# Altium PCB BW2098POE.PcbDoc (part 3 of 4) (continued)
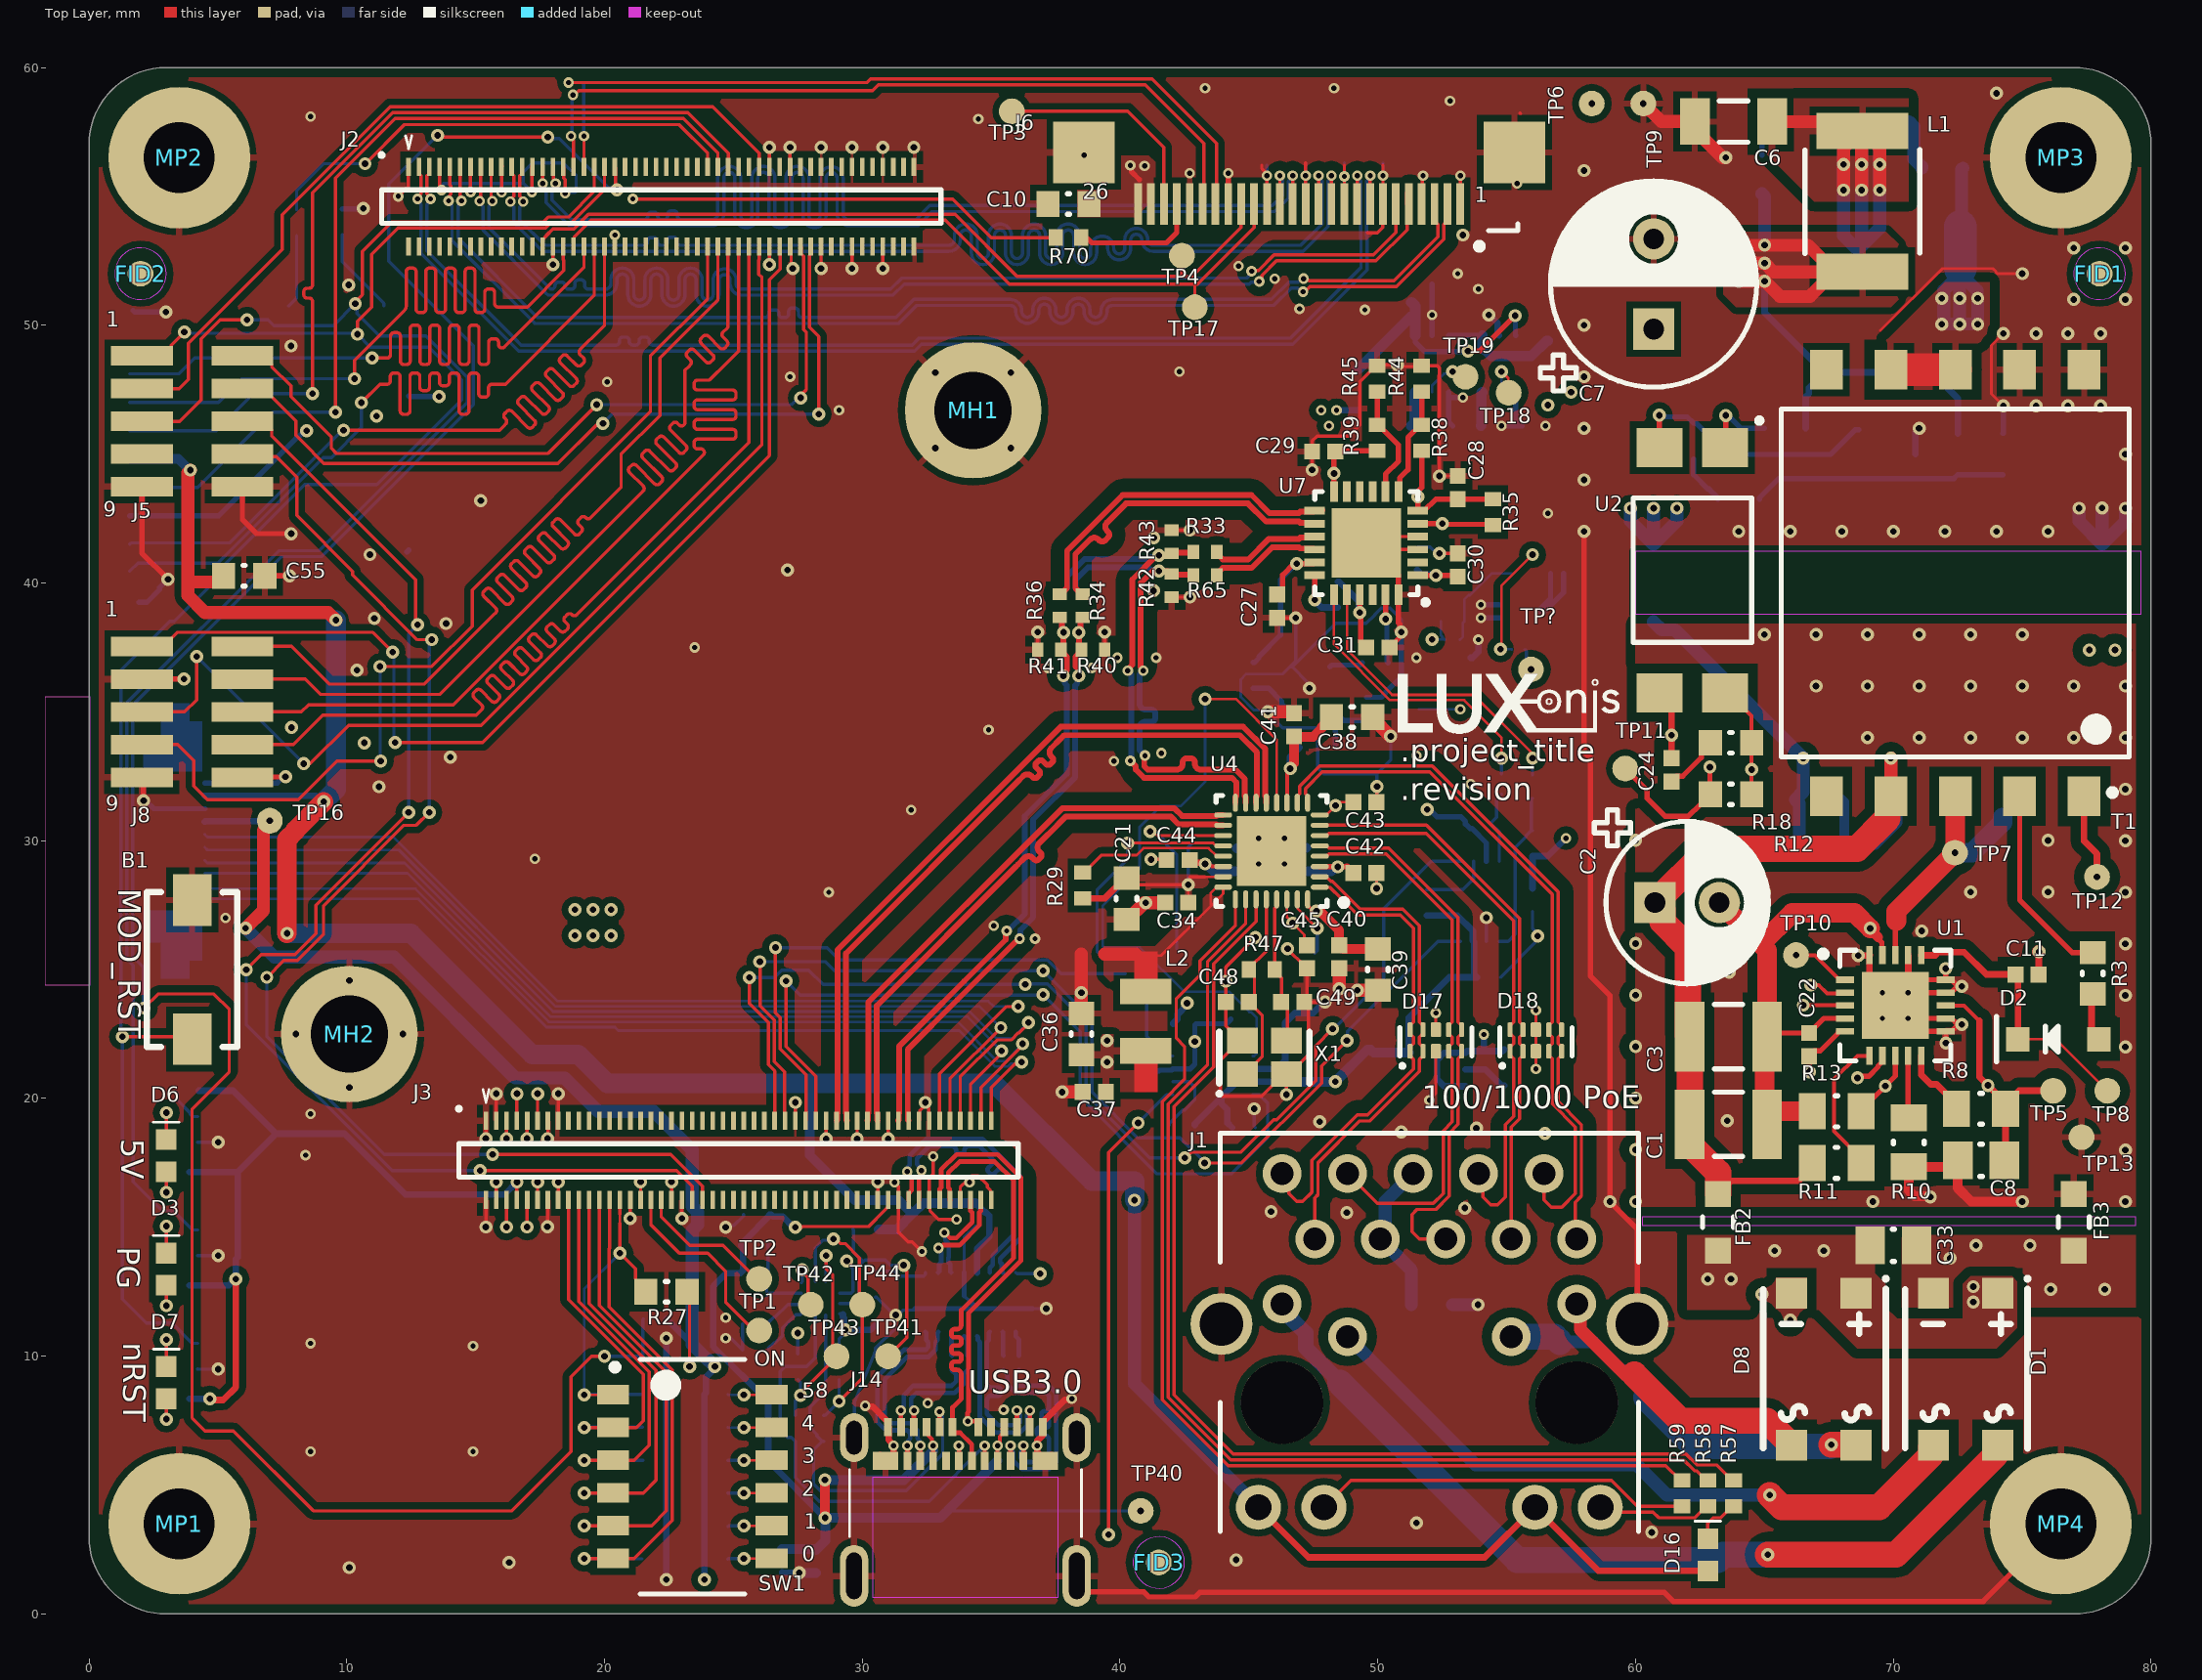
[diagram p0: Top Layer view]
## Nets (pads, with @x,y where several pads share a name; then routed paths per layer and width w, separated by ;. In a path a pad name is that pad's centre, name@x,y a point inside that pad or via, vN(x,y) a via of type N, cw(c..) or ccw(c..) an arc to the next point about the centre after c; other vN are vias at no path point) (continued)
MD2_N: D17.5 D17.6 J1.6 U4.5 | length 21.6
  Top Layer w0.13: U4.5@47.75,29.8 48.019,29.8 48.103,29.716 50.424,29.716 53.116,27.024 53.116,22.961 53.192,22.885 53.215,22.885 53.25,22.85 D17.6@53.25,22.668 53.25,22.485 53.215,22.45 53.192,22.45 53.116,22.374 53.116,22.126 53.192,22.05 53.215,22.05 53.25,22.015 D17.5@53.25,21.833 53.25,21.65 53.215,21.615 53.192,21.615 53.116,21.539 53.116,18.999 52.767,18.65 52.767,16.214 52.249,15.696 51.515,15.696 51.321,15.502 51.321,14.834 51.605,14.55 J1.6@52.635,14.55
MD2_P: D17.4 D17.7 J1.3 U4.4 | length 21.6
  Top Layer w0.13: U4.4@47.75,29.4 48.019,29.4 48.103,29.484 50.328,29.484 52.884,26.928 52.884,22.961 52.808,22.885 52.785,22.885 52.75,22.85 D17.7@52.75,22.668 52.75,22.485 52.785,22.45 52.808,22.45 52.884,22.374 52.884,22.126 52.808,22.05 52.785,22.05 52.75,22.015 D17.4@52.75,21.833 52.75,21.65 52.785,21.615 52.808,21.615 52.884,21.539 52.884,19.094 52.535,18.746 52.535,16.31 52.153,15.928 49.987,15.928 J1.3@48.825,17.09
MD3_N: D18.2 D18.9 J1.8 U4.7 | length 22.1
  Top Layer w0.13: U4.7@47.75,30.6 51.886,30.6 55.498,26.988 55.498,22.961 55.574,22.885 55.597,22.885 55.633,22.85 D18.9@55.633,22.668 55.633,22.485 55.597,22.45 55.574,22.45 55.498,22.374 55.498,22.126 55.574,22.05 55.597,22.05 55.633,22.015 D18.2@55.633,21.833 55.633,21.65 55.597,21.615 55.574,21.615 55.498,21.539 55.498,19.211 55.175,18.888 J1.8@55.175,14.55
MD3_P: D18.1 D18.10 J1.7 U4.6 | length 22.2
  Top Layer w0.13: U4.6@47.75,30.2 48.019,30.2 48.103,30.284 51.874,30.284 55.267,26.892 55.267,22.961 55.191,22.885 55.168,22.885 55.133,22.85 D18.10@55.133,22.668 55.133,22.485 55.168,22.45 55.191,22.45 55.267,22.374 55.267,22.126 55.191,22.05 55.168,22.05 55.133,22.015 D18.1@55.133,21.833 55.133,21.65 55.168,21.615 55.191,21.615 55.267,21.539 55.267,19.307 54.944,18.984 54.944,16.184 54.644,15.884 54.373,15.884 54.074,16.183 54.074,16.921 J1.7@53.905,17.09
MD4_N: D18.5 D18.6 J1.10 U4.10 | length 27.3
  Top Layer w0.13: U4.10@46.875,31.475 46.875,31.744 46.959,31.828 46.959,32.115 47.749,32.905 52.114,32.905 56.998,28.02 56.998,22.961 57.074,22.885 57.097,22.885 57.133,22.85 D18.6@57.133,22.668 57.133,22.485 57.097,22.45 57.074,22.45 56.998,22.374 56.998,22.126 57.074,22.05 57.097,22.05 57.133,22.015 D18.5@57.133,21.833 57.133,21.65 57.097,21.615 57.074,21.615 56.998,21.539 56.998,19.891 57.895,18.994 57.895,16.209 57.665,15.978 57.665,14.601 J1.10@57.715,14.55
MD4_P: D18.4 D18.7 J1.9 U4.9 | length 27.2
  Top Layer w0.13: U4.9@47.275,31.475 47.275,31.744 47.191,31.828 47.191,32.02 47.845,32.674 52.018,32.674 56.767,27.924 56.767,22.961 56.691,22.885 56.668,22.885 56.633,22.85 D18.7@56.633,22.668 56.633,22.485 56.668,22.45 56.691,22.45 56.767,22.374 56.767,22.126 56.691,22.05 56.668,22.05 56.633,22.015 D18.4@56.633,21.833 56.633,21.65 56.668,21.615 56.691,21.615 56.767,21.539 56.767,19.795 57.664,18.898 57.664,16.304 57.138,15.779 56.731,15.779 56.445,16.065 J1.9@56.445,17.09
MIPI_C_N: J2.3 J6.8 | length 47.9
  Top Layer w0.13: v2(12.752,54.9) 12.752,54.975 12.884,55.107 12.884,55.796 12.8,55.88 J2.3@12.8,56.14 ; J6.8@49.7,54.7 49.702,54.702 49.702,55.797 v2(49.705,55.8)
  Bottom Layer w0.13: v2(12.752,54.9) 12.752,54.825 12.884,54.693 12.884,52.789 16.336,49.336 16.673,49 32.027,49 32.296,49.269 46.696,49.269 49.578,52.15 49.578,53.481 49.568,53.49 49.568,55.588 49.705,55.725 v2(49.705,55.8)
MIPI_C_P: J2.5 J6.9 | length 47.9
  Top Layer w0.13: J2.5@13.2,56.14 13.2,55.88 13.116,55.796 13.116,55.107 13.248,54.975 v2(13.248,54.9) ; J6.9@49.2,54.7 v2(49.2,55.8)
  Bottom Layer w0.13: v2(13.248,54.9) 13.248,54.825 13.116,54.693 13.116,52.884 16.5,49.5 16.769,49.231 19.12,49.231 20.445,49.231 ccw(c20.445,49.366) 20.579,49.366 20.579,49.403 cw(c20.713,49.403) 20.713,49.537 20.828,49.537 cw(c20.828,49.403) 20.963,49.403 20.963,49.366 ccw(c21.097,49.366) 21.097,49.231 21.212,49.231 ccw(c21.212,49.366) 21.346,49.366 21.346,49.403 cw(c21.481,49.403) 21.481,49.537 21.596,49.537 cw(c21.596,49.403) 21.73,49.403 21.73,49.366 ccw(c21.864,49.366) 21.864,49.231 22.313,49.231 31.931,49.231 32.2,49.5 46.6,49.5 49.346,52.246 49.346,53.361 49.336,53.371 49.336,55.589 49.2,55.725 v2(49.2,55.8)
MIPI_D0_N: J2.9 J6.2 | length 48.9
  Top Layer w0.13: v2(13.952,54.828) 14,54.875 14,55.048 14.044,55.091 14.044,55.398 14,55.441 J2.9@14,56.14 ; v2(47.1,51.3) 47.167,51.3 47.367,51.5 50.727,51.5 52.566,53.339 52.566,53.916 52.7,54.05 J6.2@52.7,54.7 ; J6.2@52.616,54.7 52.616,55.141 J6.2@52.75,55.275
  Bottom Layer w0.13: v2(13.952,54.828) 13.952,54.753 14.084,54.621 14.084,53.289 17.236,50.136 17.304,50.069 31.396,50.069 32.096,50.769 34.9,50.769 35.741,50.769 cw(c35.741,50.554) 35.956,50.554 35.956,50.525 ccw(c36.402,50.525) 36.402,50.079 ccw(c36.402,50.525) 36.849,50.525 36.849,50.601 cw(c37.063,50.601) 37.063,50.816 cw(c37.063,50.601) 37.278,50.601 37.278,50.525 ccw(c37.724,50.525) 37.724,50.079 ccw(c37.724,50.525) 38.17,50.525 38.17,50.601 cw(c38.385,50.601) 38.385,50.816 cw(c38.385,50.601) 38.6,50.601 38.6,50.525 ccw(c39.046,50.525) 39.046,50.079 ccw(c39.046,50.525) 39.492,50.525 39.492,50.554 cw(c39.707,50.554) 39.707,50.769 40.525,50.769 45.969,50.769 46.641,51.441 46.886,51.441 47.027,51.3 v2(47.1,51.3)
MIPI_D0_P: J2.11 J6.3 | length 48.3
  Top Layer w0.13: J2.11@14.4,56.14 14.4,54.875 v2(14.448,54.828) ; v2(47.114,51.809) 47.167,51.756 47.303,51.756 47.328,51.731 50.631,51.731 52.334,53.434 52.334,53.916 52.2,54.05 J6.3@52.2,54.7
  Bottom Layer w0.13: v2(14.448,54.828) 14.448,54.753 14.316,54.621 14.316,53.384 17.4,50.3 25.822,50.3 26.24,50.3 ccw(c26.24,50.434) 26.374,50.434 26.374,50.462 cw(c26.508,50.462) 26.508,50.597 26.623,50.597 cw(c26.623,50.462) 26.758,50.462 26.758,50.434 ccw(c26.892,50.434) 26.892,50.3 27.007,50.3 ccw(c27.007,50.434) 27.141,50.434 27.141,50.529 cw(c27.276,50.529) 27.276,50.663 27.391,50.663 cw(c27.391,50.529) 27.525,50.529 27.525,50.434 ccw(c27.659,50.434) 27.659,50.3 28.108,50.3 31.3,50.3 32,51 34.9,51 35.741,51 cw(c35.741,50.554) 36.188,50.554 36.188,50.525 ccw(c36.402,50.525) 36.402,50.31 ccw(c36.402,50.525) 36.617,50.525 36.617,50.601 cw(c37.063,50.601) 37.063,51.047 cw(c37.063,50.601) 37.509,50.601 37.509,50.525 ccw(c37.724,50.525) 37.724,50.31 ccw(c37.724,50.525) 37.939,50.525 37.939,50.601 cw(c38.385,50.601) 38.385,51.047 cw(c38.385,50.601) 38.831,50.601 38.831,50.525 ccw(c39.046,50.525) 39.046,50.31 ccw(c39.046,50.525) 39.261,50.525 39.261,50.554 cw(c39.707,50.554) 39.707,51 40.525,51 45.873,51 46.546,51.673 46.902,51.673 47.039,51.809 v2(47.114,51.809)
MIPI_D1_N: J2.15 J6.5 | length 49
  Top Layer w0.13: v2(15.152,54.818) 15.2,54.866 J2.15@15.2,56.14 ; v2(45.4,51.7) 45.4,51.775 45.501,51.876 45.501,51.932 46.067,52.498 49.925,52.498 51.133,53.705 51.133,54.633 J6.5@51.2,54.7 ; J6.5@51.116,54.7 51.116,55.141 J6.5@51.25,55.275
  Bottom Layer w0.13: v2(15.152,54.818) 15.152,54.744 15.284,54.612 15.284,53.689 17.736,51.236 17.804,51.169 19.85,51.169 20.03,51.169 ccw(c20.03,51.615) 20.476,51.615 20.476,51.769 cw(c20.691,51.769) 20.691,51.984 cw(c20.691,51.769) 20.906,51.769 20.906,51.189 ccw(c21.352,51.189) 21.352,50.743 ccw(c21.352,51.189) 21.798,51.189 21.798,51.769 cw(c22.013,51.769) 22.013,51.984 cw(c22.013,51.769) 22.228,51.769 22.228,51.189 ccw(c22.674,51.189) 22.674,50.743 ccw(c22.674,51.189) 23.12,51.189 23.12,51.769 cw(c23.335,51.769) 23.335,51.984 cw(c23.335,51.769) 23.55,51.769 23.55,51.189 ccw(c23.996,51.189) 23.996,50.743 ccw(c23.996,51.189) 24.442,51.189 24.442,51.746 cw(c24.657,51.746) 24.657,51.961 cw(c24.657,51.746) 24.872,51.746 24.872,51.615 ccw(c25.318,51.615) 25.318,51.169 25.987,51.169 31.196,51.169 31.627,51.6 38.259,51.6 45.01,51.6 45.087,51.677 45.377,51.677 v2(45.4,51.7)
MIPI_D1_P: J2.17 J6.6 | length 48.2
  Top Layer w0.13: J2.17@15.6,56.14 15.6,54.866 v2(15.648,54.818) ; v2(45.103,52.097) 45.137,52.131 45.373,52.131 45.972,52.729 49.829,52.729 50.7,53.6 J6.6@50.7,54.7
  Bottom Layer w0.13: v2(15.648,54.818) 15.648,54.744 15.516,54.612 15.516,53.784 17.524,51.776 17.9,51.4 17.946,51.4 ccw(c17.946,51.534) 18.081,51.534 cw(c18.215,51.534) 18.215,51.669 18.33,51.669 cw(c18.33,51.534) 18.464,51.534 ccw(c18.599,51.534) 18.599,51.4 18.714,51.4 ccw(c18.714,51.534) 18.848,51.534 18.848,51.624 cw(c18.982,51.624) 18.982,51.759 19.097,51.759 cw(c19.097,51.624) 19.232,51.624 19.232,51.534 ccw(c19.366,51.534) 19.366,51.4 19.815,51.4 19.85,51.4 20.03,51.4 ccw(c20.03,51.615) 20.245,51.615 20.245,51.769 cw(c20.691,51.769) 20.691,52.216 cw(c20.691,51.769) 21.137,51.769 21.137,51.189 ccw(c21.352,51.189) 21.352,50.974 ccw(c21.352,51.189) 21.567,51.189 21.567,51.769 cw(c22.013,51.769) 22.013,52.216 cw(c22.013,51.769) 22.459,51.769 22.459,51.189 ccw(c22.674,51.189) 22.674,50.974 ccw(c22.674,51.189) 22.889,51.189 22.889,51.769 cw(c23.335,51.769) 23.335,52.216 cw(c23.335,51.769) 23.781,51.769 23.781,51.189 ccw(c23.996,51.189) 23.996,50.974 ccw(c23.996,51.189) 24.211,51.189 24.211,51.746 cw(c24.657,51.746) 24.657,52.192 cw(c24.657,51.746) 25.103,51.746 25.103,51.615 ccw(c25.318,51.615) 25.318,51.4 25.987,51.4 31.1,51.4 31.531,51.831 38.355,51.831 44.914,51.831 44.99,51.907 ; 44.99,51.908 45.103,52.022 v2(45.103,52.097)
MIPI_D2_N: J2.21 J6.11 | length 47.9
  Top Layer w0.13: v2(16.352,54.8) 16.352,54.875 16.484,55.007 16.484,55.796 16.4,55.88 J2.21@16.4,56.14 ; v2(48.195,55.8) 48.198,55.798 48.198,54.702 J6.11@48.2,54.7
  Bottom Layer w0.13: v2(16.352,54.8) 16.352,54.725 16.484,54.593 16.484,53.989 17.604,52.869 33.178,52.869 33.358,52.869 ccw(c33.358,53.315) 33.805,53.315 33.805,53.482 cw(c34.019,53.482) 34.019,53.697 cw(c34.019,53.482) 34.234,53.482 34.234,52.803 ccw(c34.68,52.803) 34.68,52.356 ccw(c34.68,52.803) 35.126,52.803 35.126,53.482 cw(c35.341,53.482) 35.341,53.697 cw(c35.341,53.482) 35.556,53.482 35.556,52.803 ccw(c36.002,52.803) 36.002,52.356 ccw(c36.002,52.803) 36.448,52.803 36.448,53.482 cw(c36.663,53.482) 36.663,53.697 cw(c36.663,53.482) 36.878,53.482 36.878,52.803 ccw(c37.324,52.803) 37.324,52.356 ccw(c37.324,52.803) 37.77,52.803 37.77,53.482 cw(c37.985,53.482) 37.985,53.697 cw(c37.985,53.482) 38.2,53.482 38.2,52.803 ccw(c38.646,52.803) 38.646,52.356 ccw(c38.646,52.803) 39.092,52.803 39.092,53.013 cw(c39.307,53.013) 39.307,53.228 cw(c39.307,53.013) 39.522,53.013 39.522,52.984 ccw(c39.968,52.984) 39.968,52.538 ccw(c39.968,52.984) 40.414,52.984 40.414,53.315 cw(c40.629,53.315) 40.629,53.53 cw(c40.629,53.315) 40.844,53.315 ccw(c41.29,53.315) 41.29,52.869 44.142,52.869 47.099,52.869 48.068,53.837 48.068,54.837 48.068,55.597 48.195,55.725 v2(48.195,55.8)
MIPI_D2_P: J2.23 J6.12 | length 47.9
  Top Layer w0.13: J2.23@16.8,56.14 16.8,55.88 16.716,55.796 16.716,55.007 16.848,54.875 v2(16.848,54.8) ; J6.12@47.7,54.7 v2(47.7,55.8)
  Bottom Layer w0.13: v2(16.848,54.8) 16.848,54.725 16.716,54.593 16.716,54.084 17.7,53.1 20.512,53.1 21.533,53.1 ccw(c21.533,53.234) 21.667,53.234 21.667,53.262 cw(c21.801,53.262) 21.801,53.396 21.916,53.396 cw(c21.916,53.262) 22.051,53.262 22.051,53.234 ccw(c22.185,53.234) 22.185,53.1 22.3,53.1 ccw(c22.3,53.234) 22.434,53.234 22.434,53.283 cw(c22.569,53.283) 22.569,53.417 22.684,53.417 cw(c22.684,53.283) 22.818,53.283 22.818,53.234 ccw(c22.952,53.234) 22.952,53.1 23.401,53.1 33.178,53.1 33.358,53.1 ccw(c33.358,53.315) 33.573,53.315 33.573,53.482 cw(c34.019,53.482) 34.019,53.928 cw(c34.019,53.482) 34.466,53.482 34.466,52.803 ccw(c34.68,52.803) 34.68,52.588 ccw(c34.68,52.803) 34.895,52.803 34.895,53.482 cw(c35.341,53.482) 35.341,53.928 cw(c35.341,53.482) 35.787,53.482 35.787,52.803 ccw(c36.002,52.803) 36.002,52.588 ccw(c36.002,52.803) 36.217,52.803 36.217,53.482 cw(c36.663,53.482) 36.663,53.928 cw(c36.663,53.482) 37.109,53.482 37.109,52.803 ccw(c37.324,52.803) 37.324,52.588 ccw(c37.324,52.803) 37.539,52.803 37.539,53.482 cw(c37.985,53.482) 37.985,53.928 cw(c37.985,53.482) 38.431,53.482 38.431,52.803 ccw(c38.646,52.803) 38.646,52.588 ccw(c38.646,52.803) 38.861,52.803 38.861,53.013 cw(c39.307,53.013) 39.307,53.459 cw(c39.307,53.013) 39.753,53.013 39.753,52.984 ccw(c39.968,52.984) 39.968,52.769 ccw(c39.968,52.984) 40.183,52.984 40.183,53.315 cw(c40.629,53.315) 40.629,53.761 cw(c40.629,53.315) 41.075,53.315 ccw(c41.29,53.315) 41.29,53.1 44.142,53.1 47.004,53.1 47.836,53.933 47.836,54.741 47.836,55.589 47.7,55.725 v2(47.7,55.8)
MIPI_D3_N: J2.27 J6.14 | length 47.8
  Top Layer w0.13: J2.27@17.6,56.14 17.602,56.138 17.602,55.502 v2(17.605,55.5) ; v2(46.695,55.8) 46.698,55.798 46.698,54.702 J6.14@46.7,54.7
  Bottom Layer w0.13: v2(17.605,55.5) 17.605,55.425 17.737,55.293 17.737,54.753 18.621,53.869 24,53.869 24.18,53.869 ccw(c24.18,54.315) 24.627,54.315 24.627,55.717 cw(c24.841,55.717) 24.841,55.932 cw(c24.841,55.717) 25.056,55.717 25.056,54.234 ccw(c25.502,54.234) 25.502,53.788 ccw(c25.502,54.234) 25.949,54.234 25.949,55.717 cw(c26.163,55.717) 26.163,55.932 cw(c26.163,55.717) 26.378,55.717 26.378,54.234 ccw(c26.824,54.234) 26.824,53.788 ccw(c26.824,54.234) 27.27,54.234 27.27,55.717 cw(c27.485,55.717) 27.485,55.932 cw(c27.485,55.717) 27.7,55.717 27.7,54.234 ccw(c28.146,54.234) 28.146,53.788 ccw(c28.146,54.234) 28.592,54.234 28.592,55.707 cw(c28.807,55.707) 28.807,55.922 cw(c28.807,55.707) 29.022,55.707 29.022,54.315 ccw(c29.468,54.315) 29.468,53.869 31.599,53.869 32.176,53.869 32.718,54.41 46.01,54.41 46.537,54.937 46.537,55.586 46.695,55.744 v2(46.695,55.8)
MIPI_D3_P: J2.29 J6.15 | length 47.6
  Top Layer w0.13: J2.29@18,56.14 18.025,56.115 v2@18.025,55.65 ; J6.15@46.2,54.7 v2(46.2,55.8)
  Bottom Layer w0.13: v2(18.1,55.5) 18.1,55.425 17.968,55.293 17.968,54.849 18.717,54.1 20.516,54.1 21.545,54.1 ccw(c21.545,54.234) 21.68,54.234 21.68,54.25 cw(c21.814,54.25) 21.814,54.384 21.929,54.384 cw(c21.929,54.25) 22.063,54.25 22.063,54.234 ccw(c22.198,54.234) 22.198,54.1 22.313,54.1 ccw(c22.313,54.234) 22.447,54.234 22.447,54.299 cw(c22.581,54.299) 22.581,54.433 22.696,54.433 cw(c22.696,54.299) 22.831,54.299 22.831,54.234 ccw(c22.965,54.234) 22.965,54.1 23.413,54.1 24,54.1 24.18,54.1 ccw(c24.18,54.315) 24.395,54.315 24.395,55.717 cw(c24.841,55.717) 24.841,56.163 cw(c24.841,55.717) 25.288,55.717 25.288,54.234 ccw(c25.502,54.234) 25.502,54.019 ccw(c25.502,54.234) 25.717,54.234 25.717,55.717 cw(c26.163,55.717) 26.163,56.163 cw(c26.163,55.717) 26.609,55.717 26.609,54.234 ccw(c26.824,54.234) 26.824,54.019 ccw(c26.824,54.234) 27.039,54.234 27.039,55.717 cw(c27.485,55.717) 27.485,56.163 cw(c27.485,55.717) 27.931,55.717 27.931,54.234 ccw(c28.146,54.234) 28.146,54.019 ccw(c28.146,54.234) 28.361,54.234 28.361,55.707 cw(c28.807,55.707) 28.807,56.154 cw(c28.807,55.707) 29.253,55.707 29.253,54.315 ccw(c29.468,54.315) 29.468,54.1 31.599,54.1 32.08,54.1 32.622,54.641 45.914,54.641 46.306,55.033 46.306,55.619 46.2,55.725 v2(46.2,55.8)
MIPI_RX2_C_N: J2.95
MIPI_RX2_C_P: J2.97
MIPI_RX2_D0_N: J2.89
MIPI_RX2_D0_P: J2.91
MIPI_RX2_D1_N: J2.83
MIPI_RX2_D1_P: J2.85
MIPI_RX3_C_N: J2.96
MIPI_RX3_C_P: J2.98
MIPI_RX3_D0_N: J2.90
MIPI_RX3_D0_P: J2.92
MIPI_RX3_D1_N: J2.84
MIPI_RX3_D1_P: J2.86
MODULE_nRST: B1.2 J2.39 J5.1 Q4.1 | length 77.9
  Top Layer w0.127: v1(1.3,22.4) 3.9,22.4 B1.2@4,22.3 ; J5.1@2.05,48.748 J5.1@2.808,48.748 ; J5.1@2.05,48.81 2.87,48.81 3.186,49.126 3.186,49.22 v1(3.698,49.732) ; v1(10.414,49.651) 10.414,50.15 10.968,50.704 10.968,52.754 11.985,53.771 17.711,53.771 17.911,53.971 18.695,53.971 20,55.277 J2.39@20,56.14
  Bottom Layer w0.127: v1(3.698,49.732) 3.738,49.691 10.373,49.691 v1(10.414,49.651) 10.915,49.15 13.183,49.15 14.454,47.878 14.454,47.107 11.166,43.819 8.367,43.819 5.213,40.665 5.213,40.417 3.313,38.518 3.142,38.518 1.242,36.618 1.242,22.458 v1(1.3,22.4) 1.3,12.219 2.229,11.29 3.225,11.29 4.015,10.5 Q4.1@4.22,10.5
NetC4_1: C4.1 D4.1 R4.1 | length 4.4
  Bottom Layer w0.381: C4.1@68,31.6 68.1,31.5 68.1,30.11 68.199,30.011 R4.1@68.298,30.011 ; R4.1@68.1,29.8 68.251,29.8 68.3,29.849 69.307,29.849 70.168,30.71 D4.1@70.168,30.9
NetC5_1: C5.1 R5.1 | length 2
  Bottom Layer w0.5: R5.1@70.6,57.9 70.8,57.7 70.8,56.45 71.1,56.15 C5.1@71.1,56.1
NetC6_2: C6.2 D5.1 L1.1 R5.2 | length 26.2
  Top Layer w0.5: C6.2@65.3,57.9 68.43,57.9 L1.1@68.8,57.53 ; v1(68.068,55.243) v1(68.068,56.243) 68.068,56.881 68.717,57.53 L1.1@68.8,57.53 ; v1(68.768,55.243) v1(68.768,56.243) 68.768,57.498 L1.1@68.8,57.53 ; v1(69.468,55.243) v1(69.468,56.243) 69.468,56.881 68.819,57.53 L1.1@68.8,57.53
  Bottom Layer w0.5: R5.2@68.568,57.374 68.068,56.874 v1(68.068,56.243) v1(68.068,55.243) 68.068,53.47 D5.1@68.618,52.92 D5.1@68.768,53.07 ; R5.2@68.7,57.506 R5.2@68.7,57.725 ; R5.2@68.7,57.9 R5.2@68.7,57.725 ; R5.2@68.768,57.355 v1(68.768,56.243) v1(68.768,55.243) D5.1@68.768,53.07 ; R5.2@68.7,57.725 69.468,56.957 v1(69.468,56.243) v1(69.468,55.243) 69.468,53.77 D5.1@68.768,53.07
NetC15_2: C15.2 R52.2 U8.3 U11.1 | length 10
  Top Layer w0.2: v1(53.5,49) 53.952,49 v1(55.324,50.372)
  Bottom Layer w0.2: U11.1@51.45,49.6 51.45,49.35 51.827,48.973 53.473,48.973 v1(53.5,49) ; v1(55.324,50.372) 55.337,50.359 55.337,49.613 U8.3@55.35,49.6
  Bottom Layer w0.4: R52.2@49.2,48.3 49.25,48.3 51.3,50.35 ; C15.2@51.3,50.9 51.45,50.75 U11.1@51.45,49.6
NetC23_1: C23.1 U2.2 U5.2 | length 10
  Top Layer w0.203: v1(60.92,46.507) 60.92,45.27 U2.2@60.93,45.26
  Bottom Layer w0.203: v1(60.92,46.507) 61.002,46.507 61.061,46.448 62.002,46.448 62.25,46.2 62.35,46.2 63.562,44.988 67.563,44.988 68.525,45.95 U5.2@68.65,45.95
NetC23_2: C23.2 R17.2 | length 2
  Bottom Layer w0.203: C23.2@62.25,44.8 C23.2@62.25,44.7 62.25,44.2 62.802,43.648 62.852,43.648 63.2,43.3 R17.2@63.2,43.25
NetC24_2: C24.2 R18.1 | length 2.3
  Top Layer w0.203: C24.2@61.4,32.3 61.608,32.508 61.831,32.508 62.552,33.229 62.552,33.452 R18.1@62.9,33.8
NetC50_2: C50.2 J1.4 J1.5 | length 6.1
  Bottom Layer w0.508: C50.2@51.3,12 51.3,13.345 J1.4@50.095,14.55 50.285,14.74 50.285,16.01 J1.5@51.365,17.09
NetD2_2: D2.2 R3.1 | length 1.9
  Top Layer w0.254: R3.1@77.733,24.061 77.685,24.013 77.685,22.59 D2.2@77.975,22.3
NetD3_1: D3.1 Q2.3 | length 1.7
  Top Layer w0.127: D3.1@2.999,14.001 v1(2.999,15.048)
  Bottom Layer w0.127: Q2.3@2.999,14.401 v1(2.999,15.048)
NetD6_1: D6.1 Q3.3 | length 1.7
  Top Layer w0.127: D6.1@2.999,18.401 v1(2.999,19.449)
  Bottom Layer w0.127: v1(2.999,19.449) Q3.3@3,18.8 Q3.3@3,18.8
NetD7_1: D7.1 Q4.3 | length 1.7
  Top Layer w0.127: D7.1@3,9.6 v1(2.999,10.648)
  Bottom Layer w0.127: Q4.3@3,10 v1(2.999,10.648)
NetJ2_42: J2.42 R70.1 | length 19.2
  Top Layer w0.13: J2.42@20.4,53.06 v2(20.4,53.499) ; v2(21.1,54.9) 33.5,54.9 35,53.4 R70.1@37.5,53.4
  Layer 2 w0.13: v2(20.4,53.499) 20.4,54.2 v2(21.1,54.9)
NetJ6_23: J6.23 R70.2 | length 5.2
  Top Layer w0.2: R70.2@38.5,53.6 38.5,53.55 38.675,53.375 38.725,53.375 38.9,53.2 41.8,53.2 42.2,53.6 J6.23@42.2,54.7
NetQ3_1: Q3.1 R54.1 | length 1.5
  Bottom Layer w0.127: R54.1@3.35,20.3 3.451,20.199 3.451,19.909 3.928,19.432 3.928,19.386 4.015,19.3 Q3.1@4.22,19.3
NetR2_1: R2.1 SW1.12 | length 1.7
  Top Layer w0.102: v1(25.404,8.504) SW1.12@26.481,8.504
  Bottom Layer w0.102: R2.1@24.781,8.524 24.801,8.504 v1(25.404,8.504)
NetR3_2: R3.2 T1.2 | length 7.7
  Top Layer w0.203: T1.2@74.9,31.75 T1.2@74.9,31.725 74.9,27.695 76.935,25.661 R3.2@77.733,25.661
NetR6_1: R6.1 U3.6 | length 2.7
  Bottom Layer w0.127: R6.1@51.9,28.1 53.3,28.1 53.713,28.513 U3.6@53.713,29.202
NetR7_1: R7.1 SW1.10 | length 1.7
  Top Layer w0.102: v1(25.404,5.964) SW1.10@26.481,5.964
  Bottom Layer w0.127: R7.1@24.791,5.954 24.801,5.964 R7.1@24.831,5.964 25.394,5.964 v1@25.404,5.954
NetR9_1: R9.1 SW1.11 | length 1.7
  Top Layer w0.102: v1(25.404,7.234) SW1.11@26.481,7.234
  Bottom Layer w0.102: R9.1@24.781,7.244 24.791,7.234 v1(25.404,7.234)
NetR14_1: R14.1 R15.2 R17.1 U5.1 | length 9.9
  Bottom Layer w0.203: R17.1@64.8,43.25 64.8,43.3 65.55,44.05 U5.1@68.65,44.05 72.35,44.05 R14.1@72.5,44.2 R15.2@74.25,44.2
NetR16_1: R16.1 SW1.7 | length 1.7
  Top Layer w0.102: v1(25.404,2.154) SW1.7@26.481,2.154
  Bottom Layer w0.127: R16.1@24.781,2.124 24.811,2.154 25.374,2.154 v1@25.404,2.124
NetR24_1: R24.1 U2.1 | length 3
  Top Layer w0.203: U2.1@63.47,45.26 63.5,45.29 v1(63.5,46.5)
  Bottom Layer w0.203: v1(63.5,46.5) 63.582,46.5 64.079,46.004 64.996,46.004 R24.1@65,46
NetR48_2: R48.2 U4.31 | length 2.4
  Top Layer w0.102: U4.31@46.875,27.725 46.894,27.706 46.894,27.36 v1(47.649,26.604)
  Bottom Layer w0.127: R48.2@47.56,25.64 47.649,25.729 v1(47.649,26.604)
NetR50_1: R50.1 U6.6 | length 2.9
  Bottom Layer w0.127: R50.1@41.9,18.97 41.9,19.02 42.441,19.561 42.507,19.561 42.9,19.953 42.9,20.439 42.689,20.65 U6.6@42.05,20.65
NetR51_2: R51.2 U8.1 U11.3 | length 4.7
  Bottom Layer w0.2: U11.3@52.75,49.6 U8.1@54.05,49.6
  Bottom Layer w0.4: U8.1@54.05,49.6 54.05,49.15 54.4,48.8 55.95,48.8 56.55,49.4 R51.2@56.6,49.4
NetR60_1: R60.1 SW1.9 | length 1.7
  Top Layer w0.102: v1(25.404,4.694) SW1.9@26.481,4.694
  Bottom Layer w0.127: R60.1@24.781,4.684 24.791,4.694 25.394,4.694 v1@25.404,4.684
NetR61_1: R61.1 SW1.8 | length 1.7
  Top Layer w0.102: v1(25.404,3.424) SW1.8@26.481,3.424
  Bottom Layer w0.127: R61.1@24.791,3.394 24.816,3.419 24.821,3.424 25.374,3.424 v1@25.404,3.394
NetR185_1: R185.1 U61.2 | length 2.1
  Bottom Layer w0.127: R185.1@30.5,13.3 31.244,13.3 31.43,13.113 32.388,13.113 32.45,13.175 U61.2@32.45,13.25
NetR186_1: R186.1 TP41.1 U61.9 U62.11 | length 17.1
  Top Layer w0.127: TP41.1@31.1,10.1 31.719,10.719 31.719,13.314 31.604,13.429 v1(31.604,13.532)
  Layer 3 w0.127: v1(31.604,13.532) 31.604,13.119 32.609,12.114 36.658,12.114 36.9,12.356 v1(36.9,13.2)
  Bottom Layer w0.127: U62.11@29.125,12.051 29.566,12.051 29.869,12.353 29.869,13.502 30.037,13.67 ; R186.1@29.636,14.923 29.657,14.902 29.657,14.049 30.037,13.67 ; v1(31.604,13.532) 31.101,13.532 30.893,13.74 30.107,13.74 30.037,13.67 ; U61.9@35.95,13.25 36,13.2 v1(36.9,13.2)
NetR213_1: R213.1 RZ28.1 TP44.1 U62.7 | length 11.1
  Top Layer w0.127: v1(28.88,14.555) 28.961,14.555 29.145,14.371 29.336,14.371 29.889,13.818 29.889,12.111 TP44.1@30,12 30,9.15 v1(29.1,8.25)
  Bottom Layer w0.127: U62.7@28.175,12.901 28.175,14.208 28.468,14.501 28.827,14.501 v1(28.88,14.555) ; RZ28.1@28.5,7.7 28.55,7.7 v1(29.1,8.25) R213.1@29.1,9.1
NetR214_1: R214.1 RZ29.1 TP43.1 U62.8 | length 8.7
  Top Layer w0.127: v1(27.6,8.486) 27.6,8.562 29,9.962 28.981,9.981 28.855,10.107 28.855,13.145 28.6,13.4 v1(28.6,13.9)
  Bottom Layer w0.127: RZ29.1@27.4,7.7 27.4,8.286 v1(27.6,8.486) 27.6,9 R214.1@27.5,9.1 ; U62.8@28.575,12.901 28.588,12.913 28.588,13.888 v1(28.6,13.9)
NetTP18_1: TP18.1 U8.5 | length 1.8
  Top Layer w0.102: v1(54.8,48.2) 55.062,47.938 55.062,47.392 TP18.1@55.075,47.379
  Bottom Layer w0.102: U8.5@54.7,47.4 54.8,47.5 v1(54.8,48.2)
NetTP19_1: TP19.1 U11.5 | length 1.9
  Top Layer w0.102: v1(52.9,48.2) 53.1,48 TP19.1@53.4,48
  Bottom Layer w0.102: U11.5@52.1,47.4 52.1,47.65 52.572,48.122 52.822,48.122 v1(52.9,48.2)
NetTP42_1: TP42.1 U62.6 | length 2.1
  Top Layer w0.127: v1(27.668,13.35) 27.668,13.275 27.9,13.043 TP42.1@27.9,11.9
  Bottom Layer w0.127: U62.6@27.625,12.851 27.666,12.892 v1@27.666,13.35
nRST_LED: D7.2 R56.1 | length 1.6
  Top Layer w0.127: v1(3,7.561) D7.2@3,8.35
  Bottom Layer w0.127: v1(3,7.561) R56.1@3,8.35
OE_DIFF0: R35.2 U7.5 | length 2.9
  Top Layer w0.206: U7.5@51.55,42.3 v1(52.5,42.3) 52.525,42.275 54.438,42.275 R35.2@54.463,42.25
OE_DIFF1: R37.2 U7.18 | length 2
  Top Layer w0.206: v1(47.55,39.35) U7.18@47.55,40.3
  Bottom Layer w0.254: v1(47.55,39.35) 47.55,39.316 47.816,39.05 R37.2@48.45,39.05
OS_EN: OS1.1 R30.1 | length 1.8
  Bottom Layer w0.206: R30.1@45.158,35.917 45.758,35.917 46.261,35.414 46.261,35.314 46.483,35.092 OS1.1@46.583,35.092
OS_OUT: OS1.3 R64.2 | length 1.3
  Bottom Layer w0.206: OS1.3@48.133,36.742 48.208,36.817 49.317,36.817 R64.2@49.4,36.9
OS_VIN: C20.1 FB1.1 OS1.4 | length 2.9
  Bottom Layer w0.206: OS1.4@48.233,35.092 OS1.4@48.133,35.092 48.348,34.877 FB1.1@48.348,33.617 ; OS1.4@48.398,34.927 48.658,34.667 C20.1@49.558,34.667
PCIE_1V0: C36.2 C37.2 C42.2 C43.2 C44.2 C45.2 C46.2 C47.2 L2.2 U4.3 U4.8 U4.22 U4.30 | length 26.9
  Top Layer w0.102: U4.30@46.475,27.725 46.475,27.025 v1(46.696,26.804) 47.147,26.353 47.147,26.053 C45.2@47.25,25.95 ; U4.8@47.75,31 48,31 v1(48.361,31.361) 48.5,31.5 C43.2@48.75,31.5
  Top Layer w0.152: v1@43.383,29.183 43.567,29 U4.22@44,29
  Top Layer w0.203: U4.3@47.75,29 C42.2@48.8,29
  Top Layer w0.254: C44.2@42.7,29.25 42.801,29.149 43.251,29.149 v1(43.3,29.1) ; C42.2@48.8,29 C42.2@49.05,28.75
  Layer 3 w0.508: v1(39.5,21.417) v1(39.5,22.25) 39.5,22.661 44.114,27.275 ; v1(43.3,29.1) 44.114,28.286 44.114,27.275 ; v1(46.696,26.804) 46.225,27.275 ; v1(48.361,31.361) 47.938,30.938 47.938,28.988 ; v1(48.45,28.988) 47.938,28.988 ; 44.114,27.275 46.225,27.275 ; 46.225,27.275 47.938,28.988
  Bottom Layer w0.381: v1(43.3,29.1) 43.334,29.1 43.621,28.813 C47.2@44.525,28.813 ; C46.2@47.225,28.819 48.198,28.819 48.368,28.988 v1(48.45,28.988)
PCIe_CLKREQ_N_1V8: J3.65 U6.4 | length 31.8
  Top Layer w0.127: v1(27.04,24.559) 27.04,22.018 28.2,20.858 J3.65@28.2,19.14
  Bottom Layer w0.127: v1(27.04,24.559) 27.593,24.007 36.986,24.007 v1(37.008,24.03) 38.448,22.59 38.448,20.067 41.437,17.079 44.312,17.079 45.725,18.492 45.725,19.825 45.4,20.15 U6.4@45.15,20.15
PCIe_CLKREQ_N_3V3: R46.2 U4.12 U6.1 | length 26.3
  Top Layer w0.102: v1(43.3,35.5) 44.5,35.5 46.075,33.925 U4.12@46.075,31.475
  Bottom Layer w0.102: v1(43.3,35.5) 43.3,32.292 42.349,31.341 41.57,31.341 40.759,30.531 40.759,28.91 39.324,27.474 39.324,25.925 39.383,25.865 40.762,25.865 42.483,24.144 44.231,24.144 45.026,23.349 45.076,23.349 45.3,23.125 R46.2@45.3,23.075 45.3,21.749 45.201,21.65 U6.1@45.15,21.65
PCIe_ISOLATE_N_1V8: R27.2 U6.5 | length 41.3
  Top Layer w0.127: R27.2@23.2,12.5 23.3,12.4 v1(23.3,9.6) ; v1(39.557,3.079) 39.557,17.907 v1(40.702,19.052)
  Layer 3 w0.127: v1(23.3,9.6) 24.934,7.966 25.709,7.966 26.581,7.094 26.581,5.119 28.621,3.079 v1(39.557,3.079)
  Bottom Layer w0.127: v1(40.702,19.052) 41.8,20.15 U6.5@42.05,20.15
PCIe_ISOLATE_N_3V3: R49.2 U4.20 U6.8 | length 15.8
  Top Layer w0.102: v1(40.3,29.9) 40.316,29.916 43.608,29.916 43.723,29.8 U4.20@44,29.8
  Bottom Layer w0.127: v1(40.3,29.9) 40.3,29.276 39.108,28.084 39.108,25.724 39.182,25.649 40.672,25.649 41.032,25.289 41.032,22.418 U6.8@41.8,21.65 ; R49.2@40.8,21.47 41.62,21.47 U6.8@41.8,21.65 ; U6.8@42.05,21.65 U6.8@41.8,21.65
PCIe_PERST_1V8: J3.63 Q1.1 | length 21.2
  Top Layer w0.127: v1(26.633,25.855) 26.621,25.843 26.621,23.325 26.812,23.135 26.812,21.923 27.819,20.916 27.819,19.159 J3.63@27.8,19.14
  Bottom Layer w0.127: v1(26.633,25.855) 28.635,25.855 29.113,25.377 37.187,25.377 37.714,24.85 Q1.1@40.2,24.85
PCIe_PERST_N_3V3: Q1.3 R28.2 U4.19 | length 8
  Top Layer w0.102: v1(41.166,30.363) 41.276,30.363 41.438,30.2 U4.19@44,30.2
  Bottom Layer w0.127: v1(41.166,30.363) 41.239,30.29 41.46,30.29 41.8,29.95 R28.2@41.8,29.9 41.8,29.85 42.2,29.45 Q1.3@42.2,25.8
PCIe_WAKE_N: R29.2 U4.21 | length 6
  Top Layer w0.102: 39.275,29.439 40.639,29.439 40.912,29.712 43.438,29.712 43.75,29.4 U4.21@44,29.4
  Top Layer w0.127: R29.2@38.552,28.766 38.602,28.766 39.275,29.439
PG_LED: D3.2 R53.1 | length 1.6
  Top Layer w0.127: v1(2.999,11.962) D3.2@2.999,12.751
  Bottom Layer w0.127: v1(2.999,11.962) R53.1@2.999,12.75
RCL: R10.2 U1.9 | length 2.4
  Top Layer w0.203: U1.9@70.576,21.657 70.576,19.274 R10.2@70.6,19.25
RDET: R11.2 U1.6 | length 5.3
  Top Layer w0.152: R11.2@68.75,17.5 68.75,17.675 67.7,18.725 67.7,20.754 68.604,21.657 U1.6@68.969,21.657
REF_CLK_SS0: R38.2 R44.1 U7.7 | length 4.3
  Top Layer w0.206: U7.7@50.8,43.55 50.847,43.597 50.847,44.074 51.171,44.398 51.171,45.646 51.65,46.125 R38.2@51.7,46.125 R44.1@51.7,47.425
REF_CLK_SS1: R39.2 R45.1 U7.8 | length 4.5
  Top Layer w0.206: R45.1@49.975,47.425 R39.2@49.975,46.125 50.025,46.125 50.8,45.35 50.8,44.73 50.3,44.23 U7.8@50.3,43.55